# KiCad board boatcontrol.kicad_pcb (continued)
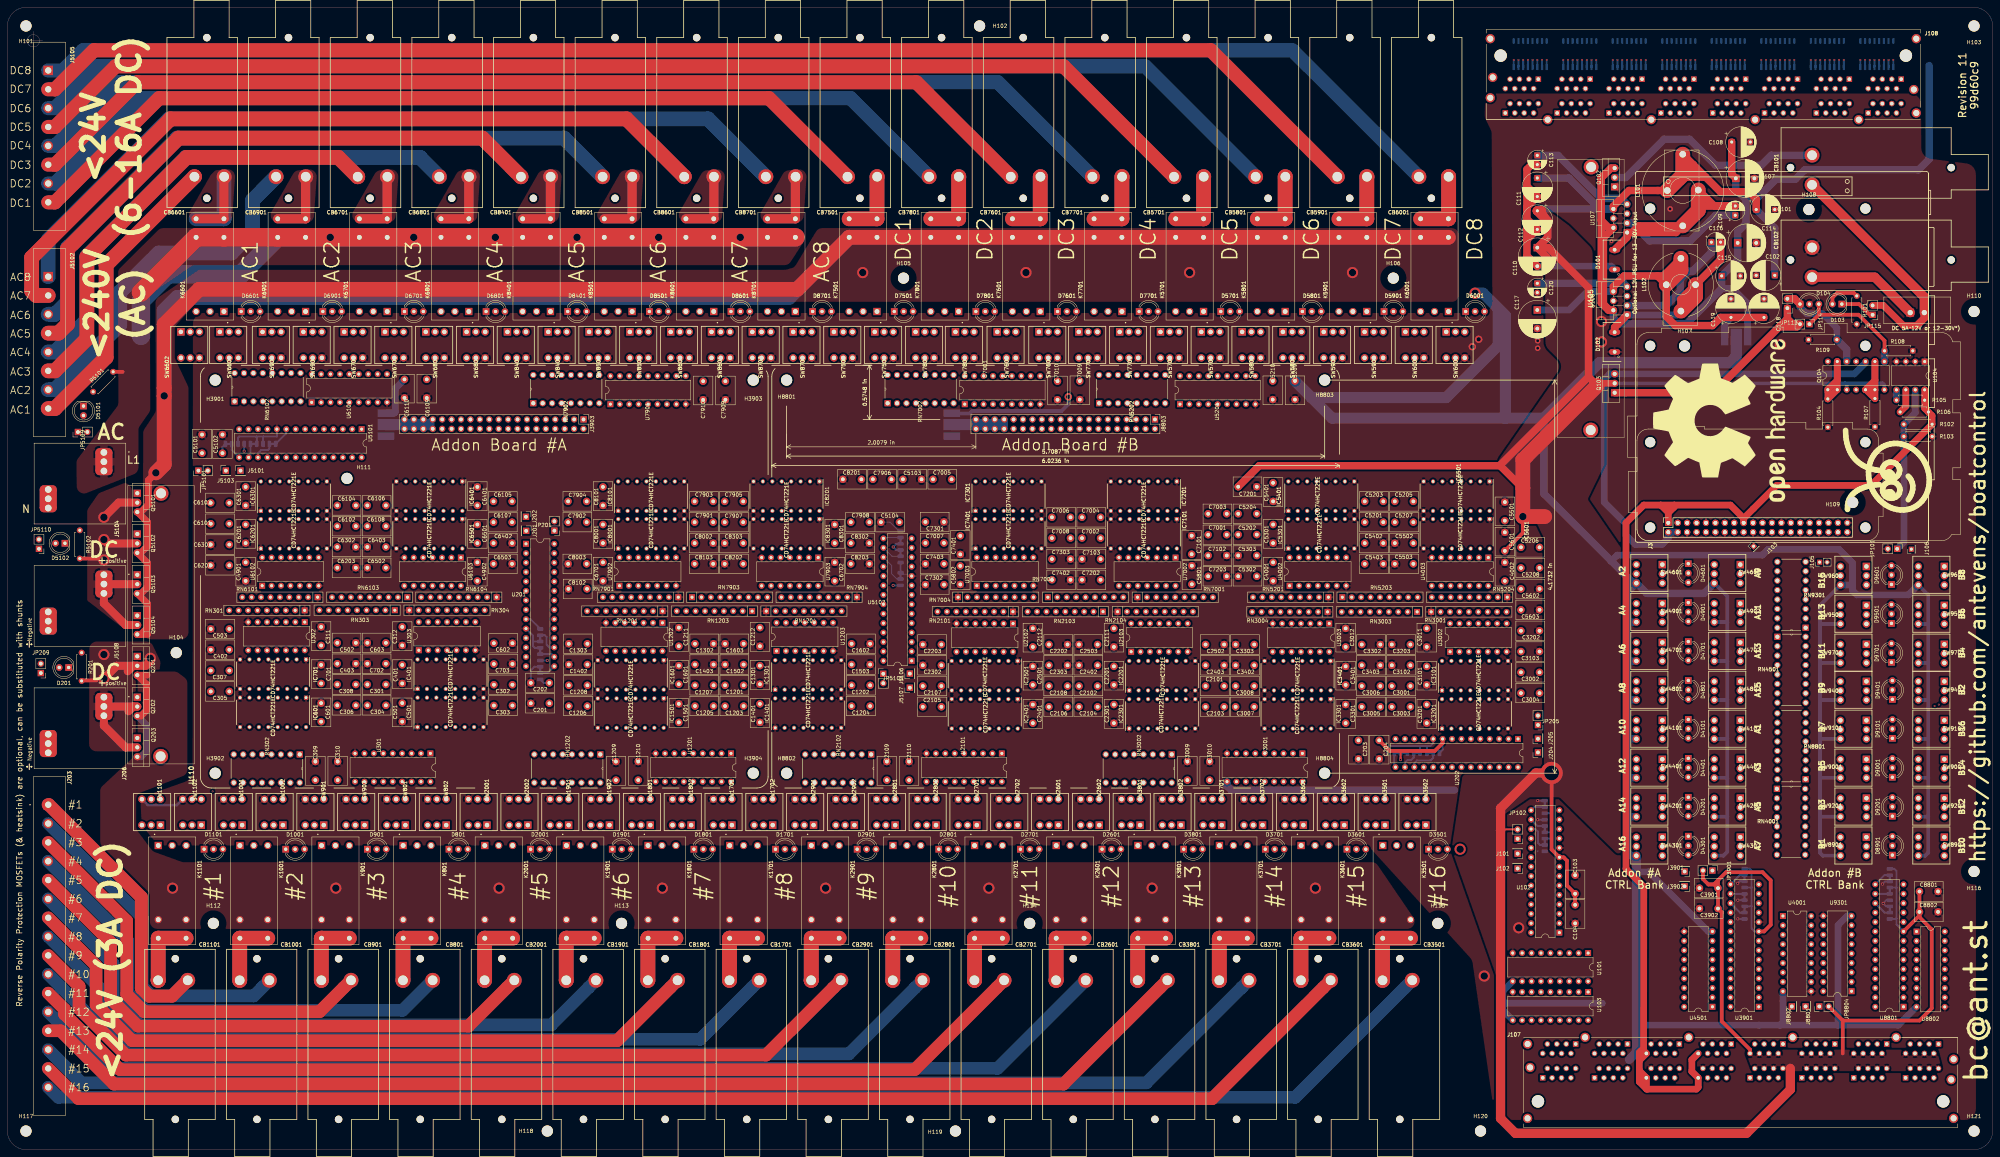
[diagram p0: board, top side]
## Routing (per net, layer and track width the routed paths; a pad name or vN(x,y) marks a point on that pad's centre or on a via; arc(x,y) is an arc through that point) (continued)
/Add-On Relay Board 1/MixedBlock1/OFF_SIGNAL_3: length 755.1
  In1.Cu w0.25: v4(521.5,203) 521.5,192.39 505.18,176.07 v4(505.18,172.63) ; v4(161.77,192.17) 161.77,191.6 162.1,191.27 199.63,191.27 220.58,212.22 220.58,222.28 v4(222.15,223.85) ; SW4201.2 450.97,87.28 468.82,87.28 v4(469.1,87)
  In1.Cu w2: J3903.27 J3903.28
  In2.Cu w0.25: v4(222.15,223.85) 222.76,223.85 224.37,225.47 224.37,226.23 226.24,228.1 388.29,228.1 396.9,236.7 396.9,293.7 400.94,297.75 512.81,297.75 521.5,289.06 v4(521.5,203) ; 500.12,160.71 499.8,160.71 ; 500.12,160.71 476,160.71 474.5,159.21 474.5,106.71 469.5,101.71 469.5,87.4 v4(469.1,87) ; 500.12,160.71 505.18,165.77 v4(505.18,172.63) ; J3903.28 125.3,191.3 160.9,191.3 v4(161.77,192.17)
/Add-On Relay Board 1/MixedBlock1/OFF_SIGNAL_4: length 770.8
  In1.Cu w0.25: 505.8,172.33 505.8,175.73 522.2,192.13 v4(522.2,202.3) ; SW4301.2 448.5,81.75 453.38,76.87 468.87,76.87 v4(470,78) ; v4(221.2,224.15) 220.08,223.03 220.08,212.43 199.55,191.9 v4(162.95,191.9)
  In1.Cu w2: J3903.31 J3903.32
  In2.Cu w0.25: v4(505.8,172.15) 505.8,165.69 500.33,160.21 476.21,160.21 475,159 475,106.51 470,101.51 v4(470,78) ; J3903.32 121.07,190.45 160.95,190.45 162.4,191.9 v4(162.95,191.9) ; v4(522.2,202.3) 522.2,289.06 513.01,298.25 400.74,298.25 396.4,293.91 396.4,236.91 388.09,228.6 226.04,228.6 223.7,226.26 223.7,225.5 222.92,224.72 221.77,224.72 v4(221.2,224.15)
/Add-On Relay Board 1/MixedBlock1/ON_SIGNAL_1: length 419
  In1.Cu w0.25: J3903.1 158.3,196.9 161.01,199.61 161.01,201.79 161.62,202.4 184,202.4 184.78,201.62 v4(184.78,200.65)
  In1.Cu w2: J3903.2 155.26,196.75
  In2.Cu w0.25: v4(184.78,200.65) 185.51,200.65 186.83,199.32 228.6,199.32 231.87,196.05 244.12,196.05 251.05,189.12 275.4,189.12 276.39,188.13 311.92,188.13 313.41,189.63 421.93,189.63 435.05,176.5 477.49,176.5 484.43,169.56 484.43,165.58 482.07,163.22 474.98,163.22 472,160.25 472,116.84 468.41,113.25 SW4102.2
/Add-On Relay Board 1/MixedBlock1/ON_SIGNAL_2: length 447.2
  In1.Cu w0.25: J3903.5 150.18,198.1 150.61,198.53 150.61,202.57 v4(150.94,202.91)
  In1.Cu w2: J3903.6 150.18,196.75
  In2.Cu w0.25: v4(150.94,202.91) 151.46,203.42 184.15,203.42 187.25,200.32 229.02,200.32 232.29,197.05 244.53,197.05 251.46,190.12 275.82,190.12 276.81,189.13 311.51,189.13 313,190.63 422.34,190.63 435.47,177.5 446.46,177.5 481.85,177.5 489.51,169.84 489.51,163.84 487.89,162.21 475.38,162.21 473,159.83 473,107.34 468.41,102.75 SW4402.2
/Add-On Relay Board 1/MixedBlock1/ON_SIGNAL_3: length 700.7
  In1.Cu w0.25: v4(222.56,222.94) 221.08,221.46 221.08,212.01 199.84,190.77 161.89,190.77 160.03,192.63 v4(159.58,192.63) ; v4(520.85,203.75) 520.85,192.45 504.55,176.15 v4(504.55,173.1)
  In1.Cu w2: J3903.9 J3903.10
  In2.Cu w0.25: J3903.10 146.83,192.63 v4(159.58,192.63) ; 224.88,225.26 v4(222.56,222.94) ; 224.88,225.26 224.88,226.02 226.45,227.6 388.5,227.6 397.45,236.55 397.45,293.55 401.15,297.25 512.6,297.25 520.85,289 v4(520.85,203.75) ; 224.88,225.26 224.87,225.26 ; SW4202.2 468.41,92.25 469,92.84 469,101.92 474,106.92 474,159.42 475.8,161.21 499.91,161.21 504.55,165.85 v4(504.55,173.1)
/Add-On Relay Board 1/MixedBlock1/ON_SIGNAL_4: length 551.6
  In1.Cu w0.25: J3903.13 142.17,199.05 143.84,199.05 145.53,200.74 145.53,202.28 v4(146.91,203.66)
  In1.Cu w2: J3903.13 J3903.14
  In2.Cu w0.25: SW4302.2 465,79.75 465,77.54 465.29,77.25 470.18,77.25 470.63,77.7 470.63,101.43 475.5,106.3 475.5,158.8 476.42,159.71 500.53,159.71 506.43,165.6 506.43,174.6 502.52,178.5 446.87,178.5 435.88,178.5 422.76,191.63 312.58,191.63 311.09,190.13 277.22,190.13 276.23,191.12 251.88,191.12 244.95,198.05 232.7,198.05 229.43,201.32 ; 229.43,201.32 199.78,201.32 196.68,204.42 147.67,204.42 v4(146.91,203.66) ; 229.43,201.32 201.18,201.32
/Add-On Relay Board 1/MixedBlock2/MixedControl1/DIG_OFF: length 125.7
  In2.Cu w0.25: U4501.17 450.2,42.72 450.2,46.39 447.7,48.88 447.7,64.27 434.62,77.35 434.62,153.37 SW4601.4
/Add-On Relay Board 1/MixedBlock2/MixedControl1/DIG_ON: length 152.1
  In2.Cu w0.25: U4501.18 449.7,40.68 449.7,46.18 447.2,48.67 447.2,64.06 434.12,77.14 434.12,154.91 438.49,159.28 458.47,159.28 SW4602.4
/Add-On Relay Board 1/MixedBlock2/MixedControl1/DISABLED_INDICATOR: length 32.5
  In1.Cu w0.25: SW4602.3 459.97,159.78 448.57,159.78 448.09,159.3 444.87,159.3 444.62,159.05 444.62,154.13 SW4601.3
/Add-On Relay Board 1/MixedBlock2/MixedControl1/OFF_LED: length 33.6
  In1.Cu w0.25: RN4501.2 468.38,144.36 468.38,148.55 466.05,150.87 455.05,150.87 D4601.3
/Add-On Relay Board 1/MixedBlock2/MixedControl1/OFF_TO_ON: length 16.3
  In1.Cu w0.25: SW4601.1 447.25,157.75 448.78,159.28 455.97,159.28 SW4602.5
/Add-On Relay Board 1/MixedBlock2/MixedControl1/ON_LED: length 34.4
  In1.Cu w0.25: RN4501.1 475.91,138.28 468.88,145.32 468.88,148.76 466.26,151.37 459.34,151.37 453,157.71 D4601.1
/Add-On Relay Board 1/MixedBlock2/MixedControl1/ON_TO_OFF: length 31.9
  In1.Cu w0.25: SW4602.1 467,159 465.72,160.28 448.36,160.28 447.89,159.8 443.55,159.8 SW4601.5
/Add-On Relay Board 1/MixedBlock2/MixedControl2/DIG_OFF: length 109.3
  In2.Cu w0.25: SW4901.4 435.62,143.87 435.62,77.76 448.7,64.68 448.7,49.3 U4501.15
/Add-On Relay Board 1/MixedBlock2/MixedControl2/DIG_ON: length 138.2
  In2.Cu w0.25: SW4902.4 457.35,149.9 436.9,149.9 435.12,148.12 435.12,77.55 448.2,64.47 448.2,49.09 450.7,46.59 450.7,44.76 U4501.16
/Add-On Relay Board 1/MixedBlock2/MixedControl2/DISABLED_INDICATOR: length 32.5
  In1.Cu w0.25: SW4901.3 444.62,143.63 444.62,148.55 445.35,149.28 459.97,149.28 SW4902.3
/Add-On Relay Board 1/MixedBlock2/MixedControl2/OFF_LED: length 28.9
  In1.Cu w0.25: RN4501.4 467.29,140.37 455.05,140.37 D4901.3
/Add-On Relay Board 1/MixedBlock2/MixedControl2/OFF_TO_ON: length 16.3
  In1.Cu w0.25: SW4901.1 447.25,147.25 448.78,148.78 455.97,148.78 SW4902.5
/Add-On Relay Board 1/MixedBlock2/MixedControl2/ON_LED: length 30.1
  In1.Cu w0.25: D4901.1 453,147.21 459.34,140.87 469.33,140.87 RN4501.3
/Add-On Relay Board 1/MixedBlock2/MixedControl2/ON_TO_OFF: length 32.3
  In1.Cu w0.25: SW4901.5 441.79,144.75 443.38,146.34 443.38,148.18 445.07,149.87 463.13,149.87 465.75,147.25 SW4902.1
/Add-On Relay Board 1/MixedBlock2/MixedControl3/DIG_OFF: length 92.9
  In2.Cu w0.25: U4501.13 449.7,53.38 449.7,65.1 436.62,78.18 436.62,134.37 SW4701.4
/Add-On Relay Board 1/MixedBlock2/MixedControl3/DIG_ON: length 121
  In2.Cu w0.25: SW4702.4 458.59,136.75 456.09,139.25 437.95,139.25 436.12,137.42 436.12,77.97 449.2,64.89 449.2,51.34 U4501.14
/Add-On Relay Board 1/MixedBlock2/MixedControl3/DISABLED_INDICATOR: length 41.6
  In1.Cu w0.25: SW4701.3 444.62,133.13 444.62,138.05 445.35,138.78 459.97,138.78 SW4702.3 460.55,138.2
/Add-On Relay Board 1/MixedBlock2/MixedControl3/OFF_LED: length 26.6
  In1.Cu w0.25: D4701.3 455.05,129.87 472.71,129.87 RN4501.6
/Add-On Relay Board 1/MixedBlock2/MixedControl3/OFF_TO_ON: length 16.3
  In1.Cu w0.25: SW4702.5 455.97,138.28 448.78,138.28 447.25,136.75 SW4701.1
/Add-On Relay Board 1/MixedBlock2/MixedControl3/ON_LED: length 27.8
  In1.Cu w0.25: RN4501.5 474.75,130.37 459.34,130.37 453,136.71 D4701.1
/Add-On Relay Board 1/MixedBlock2/MixedControl3/ON_TO_OFF: length 32.2
  In1.Cu w0.25: SW4701.5 441.79,134.25 443.38,135.84 443.38,137.51 445.24,139.37 460.08,139.37 462.71,136.75 SW4702.1
/Add-On Relay Board 1/MixedBlock2/MixedControl4/DIG_OFF: length 76.4
  In2.Cu w0.25: U4501.11 450.7,57.46 450.7,65.51 437.62,78.59 437.62,124.87 SW4801.4
/Add-On Relay Board 1/MixedBlock2/MixedControl4/DIG_ON: length 105.4
  In2.Cu w0.25: U4501.12 450.2,55.42 450.2,65.3 437.12,78.38 437.12,126.41 440.54,129.83 457.84,129.83 460,127.66 SW4802.4
/Add-On Relay Board 1/MixedBlock2/MixedControl4/DISABLED_INDICATOR: length 32.5
  In1.Cu w0.25: SW4802.3 459.97,128.28 445.35,128.28 444.62,127.55 444.62,122.63 SW4801.3
/Add-On Relay Board 1/MixedBlock2/MixedControl4/OFF_LED: length 25.3
  In1.Cu w0.25: D4801.3 455.05,119.37 475.87,119.37 RN4501.8
/Add-On Relay Board 1/MixedBlock2/MixedControl4/OFF_TO_ON: length 16.3
  In1.Cu w0.25: SW4801.1 447.25,126.25 448.78,127.78 455.97,127.78 SW4802.5
/Add-On Relay Board 1/MixedBlock2/MixedControl4/ON_LED: length 28.2
  In1.Cu w0.25: RN4501.7 473.83,119.87 459.34,119.87 453,126.21 D4801.1
/Add-On Relay Board 1/MixedBlock2/MixedControl4/ON_TO_OFF: length 33.2
  In1.Cu w0.25: SW4802.1 462.71,126.25 460.16,128.8 445.17,128.8 444.12,127.76 444.12,124.2 443.67,123.75 SW4801.5
/Add-On Relay Board 1/MixedBlock2/OFF_SIGNAL_1: length 370.5
  In1.Cu w0.25: v4(465.5,150) 465.13,150.37 450.88,150.37 SW4601.2
  In1.Cu w2: J3903.4 152.72,196.75
  In2.Cu w0.25: v4(465.5,150) 466.29,150 468.38,152.09 468.38,159.05 467.15,160.28 439.26,160.28 435.22,164.31 435.22,169.95 420.54,184.63 274.94,184.63 273.95,185.62 249.6,185.62 242.67,192.55 230.4,192.55 227.23,195.72 161.65,195.72 160.49,194.56 157.61,194.56 156.18,193.13 153.95,193.13 J3903.4
/Add-On Relay Board 1/MixedBlock2/OFF_SIGNAL_2: length 388.1
  In1.Cu w0.25: v4(466.5,139.5) 466.13,139.87 450.88,139.87 SW4901.2
  In1.Cu w2: J3903.8 147.64,196.75
  In2.Cu w0.25: v4(466.5,139.5) 466.88,139.5 469.38,142 469.38,159.46 467.56,161.28 439.67,161.28 436.22,164.72 436.22,170.37 420.96,185.63 275.36,185.63 274.37,186.62 250.01,186.62 243.08,193.55 230.82,193.55 227.65,196.72 185.9,196.72 185.62,197 157.75,197 156.35,195.6 156.32,195.59 149.09,195.59 147.87,194.36 J3903.8
/Add-On Relay Board 1/MixedBlock2/OFF_SIGNAL_3: length 416.8
  In1.Cu w0.25: SW4701.2 450.95,129.3 466.2,129.3 v4(466.5,129)
  In1.Cu w2: J3903.11 J3903.12
  In2.Cu w0.25: v4(466.5,129) 470.5,133 470.5,160.87 474.27,164.64 474.27,169.84 469.11,175 434.43,175 421.31,188.13 314.03,188.13 312.54,186.63 275.77,186.63 274.78,187.62 250.43,187.62 243.5,194.55 231.23,194.55 228.06,197.72 186.31,197.72 185.48,198.55 153.08,198.55 152.81,198.27 149.42,198.27 148.9,197.75 148.9,196.1 148.45,195.65 143.81,195.65 J3903.11
/Add-On Relay Board 1/MixedBlock2/OFF_SIGNAL_4: length 445.7
  In1.Cu w0.25: J3903.15 137.48,196.98 v4(139.7,199.2)
  In1.Cu w2: J3903.15 J3903.16
  In2.Cu w0.25: SW4801.2 450.95,118.8 467.6,118.8 471.5,122.7 471.5,160.45 474.77,163.72 480.06,163.72 481.89,165.55 481.89,169.82 475.71,176 434.85,176 421.72,189.13 313.62,189.13 312.13,187.63 276.19,187.63 275.2,188.62 250.84,188.62 243.91,195.55 231.65,195.55 228.48,198.72 186.95,198.75 186.7,198.75 185.9,199.55 152.67,199.55 152.39,199.27 148.02,199.27 147.47,198.72 140.18,198.72 v4(139.7,199.2)
/Add-On Relay Board 1/MixedBlock2/ON_SIGNAL_1: length 356.8
  In1.Cu w2: J3903.17 J3903.18
  In2.Cu w0.25: SW4602.2 465.59,155.25 461.06,159.78 439.05,159.78 434.72,164.1 434.72,169.75 420.34,184.13 274.74,184.13 273.75,185.12 249.39,185.12 242.46,192.05 230.2,192.05 227.03,195.22 163.1,195.22 159.88,192.01 137.29,192.01 J3903.18
/Add-On Relay Board 1/MixedBlock2/ON_SIGNAL_2: length 378.2
  In1.Cu w0.25: v4(159.27,196.22) 156.03,192.98 131.24,192.98 J3903.22
  In1.Cu w2: J3903.21 J3903.22
  In2.Cu w0.25: SW4902.2 468.41,144.75 468.88,145.21 468.88,159.26 467.36,160.78 439.47,160.78 435.72,164.52 435.72,170.16 420.75,185.13 275.15,185.13 274.16,186.12 249.8,186.12 242.88,193.05 230.61,193.05 227.44,196.22 v4(159.27,196.22)
/Add-On Relay Board 1/MixedBlock2/ON_SIGNAL_3: length 397
  In1.Cu w0.25: v4(161.85,197.65) 156.68,192.48 126.66,192.48 J3903.26
  In1.Cu w2: J3903.25 J3903.26
  In2.Cu w0.25: SW4702.2 468.41,134.25 469.88,135.71 469.88,159.67 467.77,161.78 439.88,161.78 436.72,164.93 436.72,170.59 436.71,170.59 421.17,186.13 275.56,186.13 274.57,187.12 250.22,187.12 243.29,194.05 231.03,194.05 227.85,197.22 186.11,197.22 185.68,197.65 v4(161.85,197.65)
/Add-On Relay Board 1/MixedBlock2/ON_SIGNAL_4: length 430.6
  In1.Cu w2: J3903.29 J3903.30
  In2.Cu w0.25: SW4802.2 468.79,123.75 471,125.96 471,160.66 474.56,164.22 477.91,164.22 479.35,165.66 479.35,169.85 473.7,175.5 434.64,175.5 421.51,188.63 313.83,188.63 312.34,187.13 275.98,187.13 274.99,188.12 250.63,188.12 243.7,195.05 231.44,195.05 228.27,198.22 186.9,198.25 186.5,198.25 185.69,199.05 152.88,199.05 152.6,198.77 148.23,198.77 147.68,198.22 121.03,198.22 J3903.29
/Add-On Relay Board 1/RST: length 13.5
  In2.Cu w0.25: U3901.18 462.8,65.48 462.8,72.2 459.75,75.25 JP3901.1
/Add-On Relay Board 2/A2C_A1: length 3.9
  Bottom w0.508: U8801.16 503.41,68.95 JP107.2
/Add-On Relay Board 2/ADDON_C1_OFF: length 194.7
  In1.Cu w0.25: J107.M_3 474.28,17.24 520.11,17.24 521.28,18.4 521.28,19.67 522.55,20.94 522.55,22.87 522.5,23 522.39,23.11 522.39,25.36 522.55,25.52 522.55,29.92 518.09,34.38 512.84,34.38 509.82,37.4 509.82,39.86 U8801.2 511.98,41.04 U8802.7 518.18,47.24 518.18,70.83 512.81,76.2 483.13,76.2 481.09,78.24 481.09,111.03 RN8801.10
/Add-On Relay Board 2/ADDON_C1_ON: length 200.7
  In1.Cu w0.25: RN8801.9 481.59,113.07 481.59,78.44 483.34,76.7 513.01,76.7 518.68,71.03 518.68,45.2 U8802.8 511.98,38.5 U8801.1 511,37.45 513.57,34.88 518.3,34.88 523.05,30.13 523.05,25.32 522.89,25.15 522.89,23.61 523.05,23.44 523.05,20.73 521.78,19.46 521.78,18.19 520.32,16.74 471.25,16.74 469.62,18.36 J107.M_1
/Add-On Relay Board 2/ADDON_C2_OFF: length 182.4
  In1.Cu w0.25: J107.M_7 478.36,18.24 519.7,18.24 520.28,18.82 520.28,20.09 521.55,21.36 521.55,22.42 521.39,22.59 521.39,25.78 521.55,25.94 521.55,29.45 521.5,29.5 521.55,29.51 517.68,33.38 511.92,33.38 508.82,36.48 508.82,43.94 U8801.4 511.98,46.12 U8802.5 517.18,51.32 517.18,70.41 512.39,75.2 482.72,75.2 480.09,77.82 480.09,106.95 RN8801.12
/Add-On Relay Board 2/ADDON_C2_ON: length 188.3
  In1.Cu w0.25: RN8801.11 480.59,108.99 480.59,78.03 482.93,75.7 512.6,75.7 517.68,70.62 517.68,49.28 U8802.6 511.98,43.58 U8801.3 509.32,41.9 509.32,37.19 512.64,33.88 517.88,33.88 522.05,29.72 522.05,25.73 521.89,25.57 521.89,22.82 522.05,22.66 522.05,21.15 520.78,19.88 520.78,18.61 519.91,17.74 476.32,17.74 J107.M_5
/Add-On Relay Board 2/ADDON_C3_OFF: length 165.3
  In1.Cu w0.25: RN8801.14 479.09,102.87 479.09,77.41 482.3,74.2 511.98,74.2 513.9,72.27 513.9,63.1 516.18,60.82 516.18,55.4 U8802.3 511.98,51.2 U8801.6
  In2.Cu w0.25: U8801.6 509.32,49.52 509.32,37.28 511.6,35 517.47,35 522.55,29.92 522.55,26.25 520.11,23.82 498.14,23.82 492.06,17.74 487.75,17.74 J107.N_3
/Add-On Relay Board 2/ADDON_C3_ON: length 172.2
  In1.Cu w0.25: U8801.5 511.98,48.66 U8802.4 516.68,53.36 516.68,70.21 512.19,74.7 482.51,74.7 479.59,77.61 479.59,104.91 RN8801.13
  In2.Cu w0.25: J107.N_1 483.6,18.36 484.72,17.24 492.27,17.24 498.35,23.32 520.32,23.32 523.05,26.04 523.05,30.13 517.68,35.5 511.81,35.5 509.82,37.49 509.82,47.48 U8801.5
/Add-On Relay Board 2/ADDON_C4_OFF: length 152.2
  In1.Cu w0.25: U8801.8 511,56.35 513.45,58.8 U8802.1 514.5,61.09 512.9,62.69 512.9,71.86 511.56,73.2 481.8,73.2 478.09,76.91 478.09,98.79 RN8801.16 ; 511,57.05 511,56.78
  In2.Cu w0.25: U8801.8 508.32,53.6 508.32,36.38 510.7,34 517,34 517.06,34 521.55,29.51 521.55,26.67 519.7,24.82 497.73,24.82 492.26,19.35 J107.N_7
/Add-On Relay Board 2/ADDON_C4_ON: length 159
  In1.Cu w0.25: U8801.7 511.98,53.74 U8802.2 515.68,57.44 515.68,60.62 513.4,62.89 513.4,72.07 511.77,73.7 482.01,73.7 478.59,77.11 478.59,100.83 RN8801.15
  In2.Cu w0.25: U8801.7 511,52.94 508.82,50.76 508.82,37.07 511.4,34.5 517.27,34.5 522.05,29.72 522.05,26.46 519.91,24.32 497.93,24.32 491.85,18.24 489.79,18.24 J107.N_5
/Add-On Relay Board 2/ADDON_C5_OFF: length 173.7
  In1.Cu w0.25: J107.O_3 500.12,22.38 499,23.5 499,26.46 500.27,27.73 500.27,33.62 493.32,40.56 493.32,54.26 U9301.7 ; U8801.22 501.7,55.42 501.7,65.34 497.04,70 v4(489.5,70)
  In2.Cu w0.25: U8801.22 499.18,57.94 U9301.7 ; v4(489.5,70) 488.12,71.38 488.12,151.71 485.2,154.63 478.33,154.63 RN9301.10
/Add-On Relay Board 2/ADDON_C5_ON: length 174.4
  In1.Cu w0.25: J107.O_1 497.58,24.28 496.46,25.4 496.46,36.72 492.82,40.36 492.82,56.3 U9301.8 ; v4(489.5,71) 496.75,71 502.2,65.54 502.2,57.46 U8801.21
  In2.Cu w0.25: U8801.21 499.18,60.48 U9301.8 ; RN9301.9 478.21,157.29 485.09,157.29 488.62,153.75 488.62,71.88 v4(489.5,71)
/Add-On Relay Board 2/ADDON_C6_OFF: length 170
  In1.Cu w0.25: v4(489.5,68) 497.63,68 500.7,64.92 500.7,51.34 U8801.24 ; J107.O_7 505.2,22.31 504.08,23.42 504.08,26.46 505.04,27.42 505.04,30.26 494.32,40.98 494.32,50.18 U9301.5
  In2.Cu w0.25: U9301.5 499.18,52.86 U8801.24 ; RN9301.12 478.33,149.55 485.2,149.55 487.12,147.63 487.12,70.38 v4(489.5,68)
/Add-On Relay Board 2/ADDON_C6_ON: length 171.7
  In1.Cu w0.25: U8801.23 501.2,53.38 501.2,65.13 497.34,69 v4(489.5,69) ; J107.O_5 502.65,22.35 501.54,23.46 501.54,26.54 502.5,27.5 502.5,32.1 493.82,40.77 493.82,52.22 U9301.6
  In2.Cu w0.25: U9301.6 499.18,55.4 U8801.23 ; RN9301.11 478.21,152.21 485.09,152.21 487.62,149.67 487.62,70.88 v4(489.5,69)
/Add-On Relay Board 2/ADDON_C7_OFF: length 170.2
  In1.Cu w0.25: U8801.26 499.7,47.26 499.7,64.51 498.21,66 v4(489.5,66) ; U9301.3 495.32,46.1 495.32,41.39 504.84,31.88 509.78,31.88 510.62,31.04 510.62,28.51 512.66,26.46 512.66,25.4 514.09,23.97 J107.P_3
  In2.Cu w0.25: v4(489.5,66) 486.12,69.38 486.12,143.55 485.2,144.47 478.33,144.47 RN9301.14 ; U9301.3 499.18,47.78 U8801.26
/Add-On Relay Board 2/ADDON_C7_ON: length 170.2
  In1.Cu w0.25: U9301.4 494.82,48.14 494.82,41.19 504.63,31.38 505.71,31.38 507.58,29.51 507.58,22.33 510.56,19.35 J107.P_1 ; U8801.25 500.2,49.3 500.2,64.72 497.92,67 v4(489.5,67)
  In2.Cu w0.25: v4(489.5,67) 486.62,69.88 486.62,145.59 485.2,147.01 478.33,147.01 RN9301.13 ; U9301.4 499.18,50.32 U8801.25
/Add-On Relay Board 2/ADDON_C8_OFF: length 173.5
  In1.Cu w0.25: U9301.1 497,41.65 505.77,32.88 512.59,32.88 516.47,29 516.47,28.25 517.74,26.98 517.74,25.71 519.16,24.28 J107.P_7 ; U8801.28 498.7,43.18 498.7,64.1 498.1,64.7 486.46,64.7 477.96,73.2 v4(477.5,73.2)
  In2.Cu w0.25: U8801.28 499.18,42.7 U9301.1 ; v4(477.5,73.2) 476.87,73.83 476.87,74.57 474.2,77.25 472.05,77.25 471.13,78.17 471.13,101.22 476.16,106.25 477.85,106.25 478.85,107.25 478.8,107.3 478.8,138.92 RN9301.16
/Add-On Relay Board 2/ADDON_C8_ON: length 174.8
  In1.Cu w0.25: v4(477.5,74.3) 477.85,74.3 486.95,65.2 498.31,65.2 499.2,64.3 499.2,45.22 U8801.27 ; U9301.2 495.82,44.06 495.82,41.6 505.04,32.38 510.55,32.38 513.93,29 513.93,27.94 515.51,26.35 515.51,25.4 516.62,24.28 J107.P_5
  In2.Cu w0.25: U9301.2 499.18,45.24 U8801.27 ; v4(477.5,74.3) 477.5,74.66 474.41,77.75 472.26,77.75 471.63,78.38 471.63,99.13 476.2,103.7 477.5,103.7 479.35,105.55 479.35,122.85 479.3,122.9 479.3,140.96 RN9301.15
/Add-On Relay Board 2/I2C_A0: length 5.7
  In2.Cu w0.25: 503.9,71 U8801.15
  Bottom w0.508: U8801.15 505.86,74 JP108.2
/Add-On Relay Board 2/I2C_A2: length 5
  Bottom w0.508: U8801.17 505.92,63.9 JP106.2
/Add-On Relay Board 2/INT_A: length 46.7
  In1.Cu w0.25: v4(500.5,39.64) 502.82,37.32 503.94,37.32 504.55,37.94 504.55,60.18 U8801.19
  In2.Cu w0.25: v4(500.5,39.64) 499.82,40.33 485.23,40.33 484.6,39.7 J8801.1
/Add-On Relay Board 2/INT_B: length 41.8
  In2.Cu w0.25: J8802.1 480.9,39.7 482.7,41.5 489.92,41.5 494.56,46.14 494.56,59.77 496.44,61.66 500.54,61.66 U8801.20
/Add-On Relay Board 2/MixedBlock1/MixedControl1/DIG_OFF: length 33
  In2.Cu w0.25: U8802.17 523.25,56.26 523.8,56.8 523.8,69.65 516.88,76.57 516.88,82.37 SW8902.4
/Add-On Relay Board 2/MixedBlock1/MixedControl1/DIG_ON: length 52.3
  In2.Cu w0.25: U8802.18 522.12,69.92 518.34,73.7 509.54,73.7 504.25,78.99 504.25,83.79 502.42,85.63 499.7,85.63 499.38,85.3 499.38,82.84 498.66,82.12 497,82.12 495.88,83.25 495,83.25 SW8901.4
/Add-On Relay Board 2/MixedBlock1/MixedControl1/DISABLED_INDICATOR: length 32.5
  In1.Cu w0.25: SW8902.3 514.97,86.28 500.35,86.28 499.62,85.55 499.62,80.63 SW8901.3
/Add-On Relay Board 2/MixedBlock1/MixedControl1/OFF_LED: length 45.7
  In1.Cu w0.25: RN8801.2 490.62,96.42 490.62,80.59 493.34,77.87 501.66,77.87 507.1,83.31 507.1,83.58 D8901.3
/Add-On Relay Board 2/MixedBlock1/MixedControl1/OFF_TO_ON: length 33
  In1.Cu w0.25: SW8901.5 496.11,81.75 496.62,82.26 496.62,84.16 499.24,86.78 520.72,86.78 522,85.5 SW8902.1
/Add-On Relay Board 2/MixedBlock1/MixedControl1/ON_LED: length 43
  In1.Cu w0.25: RN8801.1 485.71,99.88 490.12,95.46 490.12,80.38 493.13,77.37 507.12,77.37 508,78.25 D8901.1
/Add-On Relay Board 2/MixedBlock1/MixedControl1/ON_TO_OFF: length 16.3
  In1.Cu w0.25: SW8901.1 502.25,84.25 503.78,85.78 510.97,85.78 SW8902.5
/Add-On Relay Board 2/MixedBlock1/MixedControl2/DIG_OFF: length 48.3
  In2.Cu w0.25: SW9202.4 516.38,93.37 516.38,85.62 517.38,84.62 517.38,76.78 524.3,69.86 524.3,53.36 U8802.15
/Add-On Relay Board 2/MixedBlock1/MixedControl2/DIG_ON: length 60.8
  In2.Cu w0.25: SW9201.4 504.75,84 504.75,79.2 509.75,74.2 518.54,74.2 523.3,69.45 523.3,58 522.85,57.55 521.5,57.55 520.7,56.75 520.7,55.14 U8802.16
/Add-On Relay Board 2/MixedBlock1/MixedControl2/DISABLED_INDICATOR: length 32.5
  In1.Cu w0.25: SW9201.3 499.62,91.13 499.62,96.05 500.35,96.78 514.97,96.78 SW9202.3
/Add-On Relay Board 2/MixedBlock1/MixedControl2/OFF_LED: length 40.5
  In1.Cu w0.25: D9201.3 507.1,94.08 507.1,93.43 502.05,88.37 493.34,88.37 491.62,90.09 491.62,100.5 RN8801.4
/Add-On Relay Board 2/MixedBlock1/MixedControl2/OFF_TO_ON: length 31.1
  In1.Cu w0.25: SW9202.1 517.71,94.75 515.18,97.28 499.03,97.28 SW9201.5
/Add-On Relay Board 2/MixedBlock1/MixedControl2/ON_LED: length 37
  In1.Cu w0.25: RN8801.3 491.12,98.46 491.12,89.88 493.13,87.87 507.12,87.87 508,88.75 D9201.1
/Add-On Relay Board 2/MixedBlock1/MixedControl2/ON_TO_OFF: length 16.3
  In1.Cu w0.25: SW9202.5 510.97,96.28 503.78,96.28 502.25,94.75 SW9201.1
/Add-On Relay Board 2/MixedBlock1/MixedControl3/DIG_OFF: length 64.7
  In2.Cu w0.25: U8802.13 525.3,49.28 525.3,70.28 518.38,77.2 518.38,85.03 517.38,86.03 517.38,102.87 SW9002.4
/Add-On Relay Board 2/MixedBlock1/MixedControl3/DIG_ON: length 87.5
  In2.Cu w0.25: 500.38,98.87 SW9001.4 500.38,98.87 ; 500.38,98.87 514.08,98.87 516.88,96.07 516.88,85.82 517.88,84.82 517.88,76.99 524.8,70.07 524.8,51.32 U8802.14
/Add-On Relay Board 2/MixedBlock1/MixedControl3/DISABLED_INDICATOR: length 32.5
  In1.Cu w0.25: SW9001.3 499.62,101.63 499.62,106.55 500.35,107.28 514.97,107.28 SW9002.3
/Add-On Relay Board 2/MixedBlock1/MixedControl3/OFF_LED: length 34.9
  In1.Cu w0.25: RN8801.6 492.62,104.58 492.62,99.59 493.34,98.87 501.66,98.87 507.1,104.31 507.1,104.58 D9001.3
/Add-On Relay Board 2/MixedBlock1/MixedControl3/OFF_TO_ON: length 31.9
  In1.Cu w0.25: SW9002.1 522,106.5 520.72,107.78 499.03,107.78 SW9001.5
/Add-On Relay Board 2/MixedBlock1/MixedControl3/ON_LED: length 31.6
  In1.Cu w0.25: RN8801.5 492.12,102.54 492.12,99.38 493.13,98.37 507.12,98.37 508,99.25 D9001.1
/Add-On Relay Board 2/MixedBlock1/MixedControl3/ON_TO_OFF: length 16.3
  In1.Cu w0.25: SW9002.5 510.97,106.78 503.78,106.78 502.25,105.25 SW9001.1
/Add-On Relay Board 2/MixedBlock1/MixedControl4/DIG_OFF: length 82
  In2.Cu w0.25: SW9102.4 516.41,115.75 518.38,113.79 518.38,86.45 519.38,85.45 519.38,77.61 526.3,70.69 526.3,45.2 U8802.11
/Add-On Relay Board 2/MixedBlock1/MixedControl4/DIG_ON: length 94.6
  In2.Cu w0.25: U8802.12 525.8,47.24 525.8,70.48 518.88,77.4 518.88,85.24 517.88,86.24 517.88,103.08 517.5,103.46 517.5,105.5 515.15,107.85 501.9,107.85 SW9101.4
/Add-On Relay Board 2/MixedBlock1/MixedControl4/DISABLED_INDICATOR: length 32.5
  In1.Cu w0.25: SW9101.3 499.62,112.13 499.62,117.05 500.35,117.78 514.97,117.78 SW9102.3
/Add-On Relay Board 2/MixedBlock1/MixedControl4/OFF_LED: length 30.4
  In1.Cu w0.25: RN8801.8 492.91,109.37 502.87,109.37 503.5,110 503.5,111.48 D9101.3
/Add-On Relay Board 2/MixedBlock1/MixedControl4/OFF_TO_ON: length 31.9
  In1.Cu w0.25: SW9102.1 522,117 520.72,118.28 499.03,118.28 SW9101.5
/Add-On Relay Board 2/MixedBlock1/MixedControl4/ON_LED: length 27.5
  In1.Cu w0.25: D9101.1 508,109.75 507.12,108.87 490.87,108.87 RN8801.7
/Add-On Relay Board 2/MixedBlock1/MixedControl4/ON_TO_OFF: length 17
  In1.Cu w0.25: SW9102.5 510.97,117.28 501.28,117.28 501,117 SW9101.1
/Add-On Relay Board 2/MixedBlock1/OFF_SIGNAL_1: length 355.2
  In1.Cu w0.25: 286.36,194.36 289.59,191.13 310.64,191.13 313.75,194.25 313.75,199.38 314.17,199.8 v4(317.5,199.8)
  In2.Cu w0.25: SW8902.2 523.41,81.75 526.88,85.21 526.88,168.12 508.5,186.5 496.6,186.5 481.19,201.91 423.28,201.91 421,199.63 317.67,199.63 v4(317.5,199.8)
  In2.Cu w1.8: J8803.19 J8803.20
/Add-On Relay Board 2/MixedBlock1/OFF_SIGNAL_2: length 349.2
  In1.Cu w0.25: v4(314.4,199.1) 314.25,198.95 314.25,194.04 310.84,190.63 285.01,190.63 281.28,194.36
  In2.Cu w0.25: v4(314.4,199.1) 315.03,199.73 316.67,199.73 317.27,199.13 421.21,199.13 423.49,201.41 480.99,201.41 496.39,186 508.29,186 526.38,167.92 526.38,95.21 523.41,92.25 SW9202.2
  In2.Cu w1.8: J8803.23 J8803.24
/Add-On Relay Board 2/MixedBlock1/OFF_SIGNAL_3: length 342.7
  In1.Cu w0.25: v4(315.9,199.1) 315.37,199.1 314.75,198.48 314.75,193.83 311.05,190.13 280.43,190.13 276.2,194.36
  In2.Cu w0.25: SW9002.2 523.41,102.75 525.88,105.21 525.88,167.71 508.09,185.5 496.19,185.5 480.78,200.91 423.69,200.91 421.41,198.63 316.37,198.63 v4(315.9,199.1)
  In2.Cu w1.8: J8803.27 J8803.28
